# Altium PCB DM1092.PcbDoc (part 3 of 5) (continued)
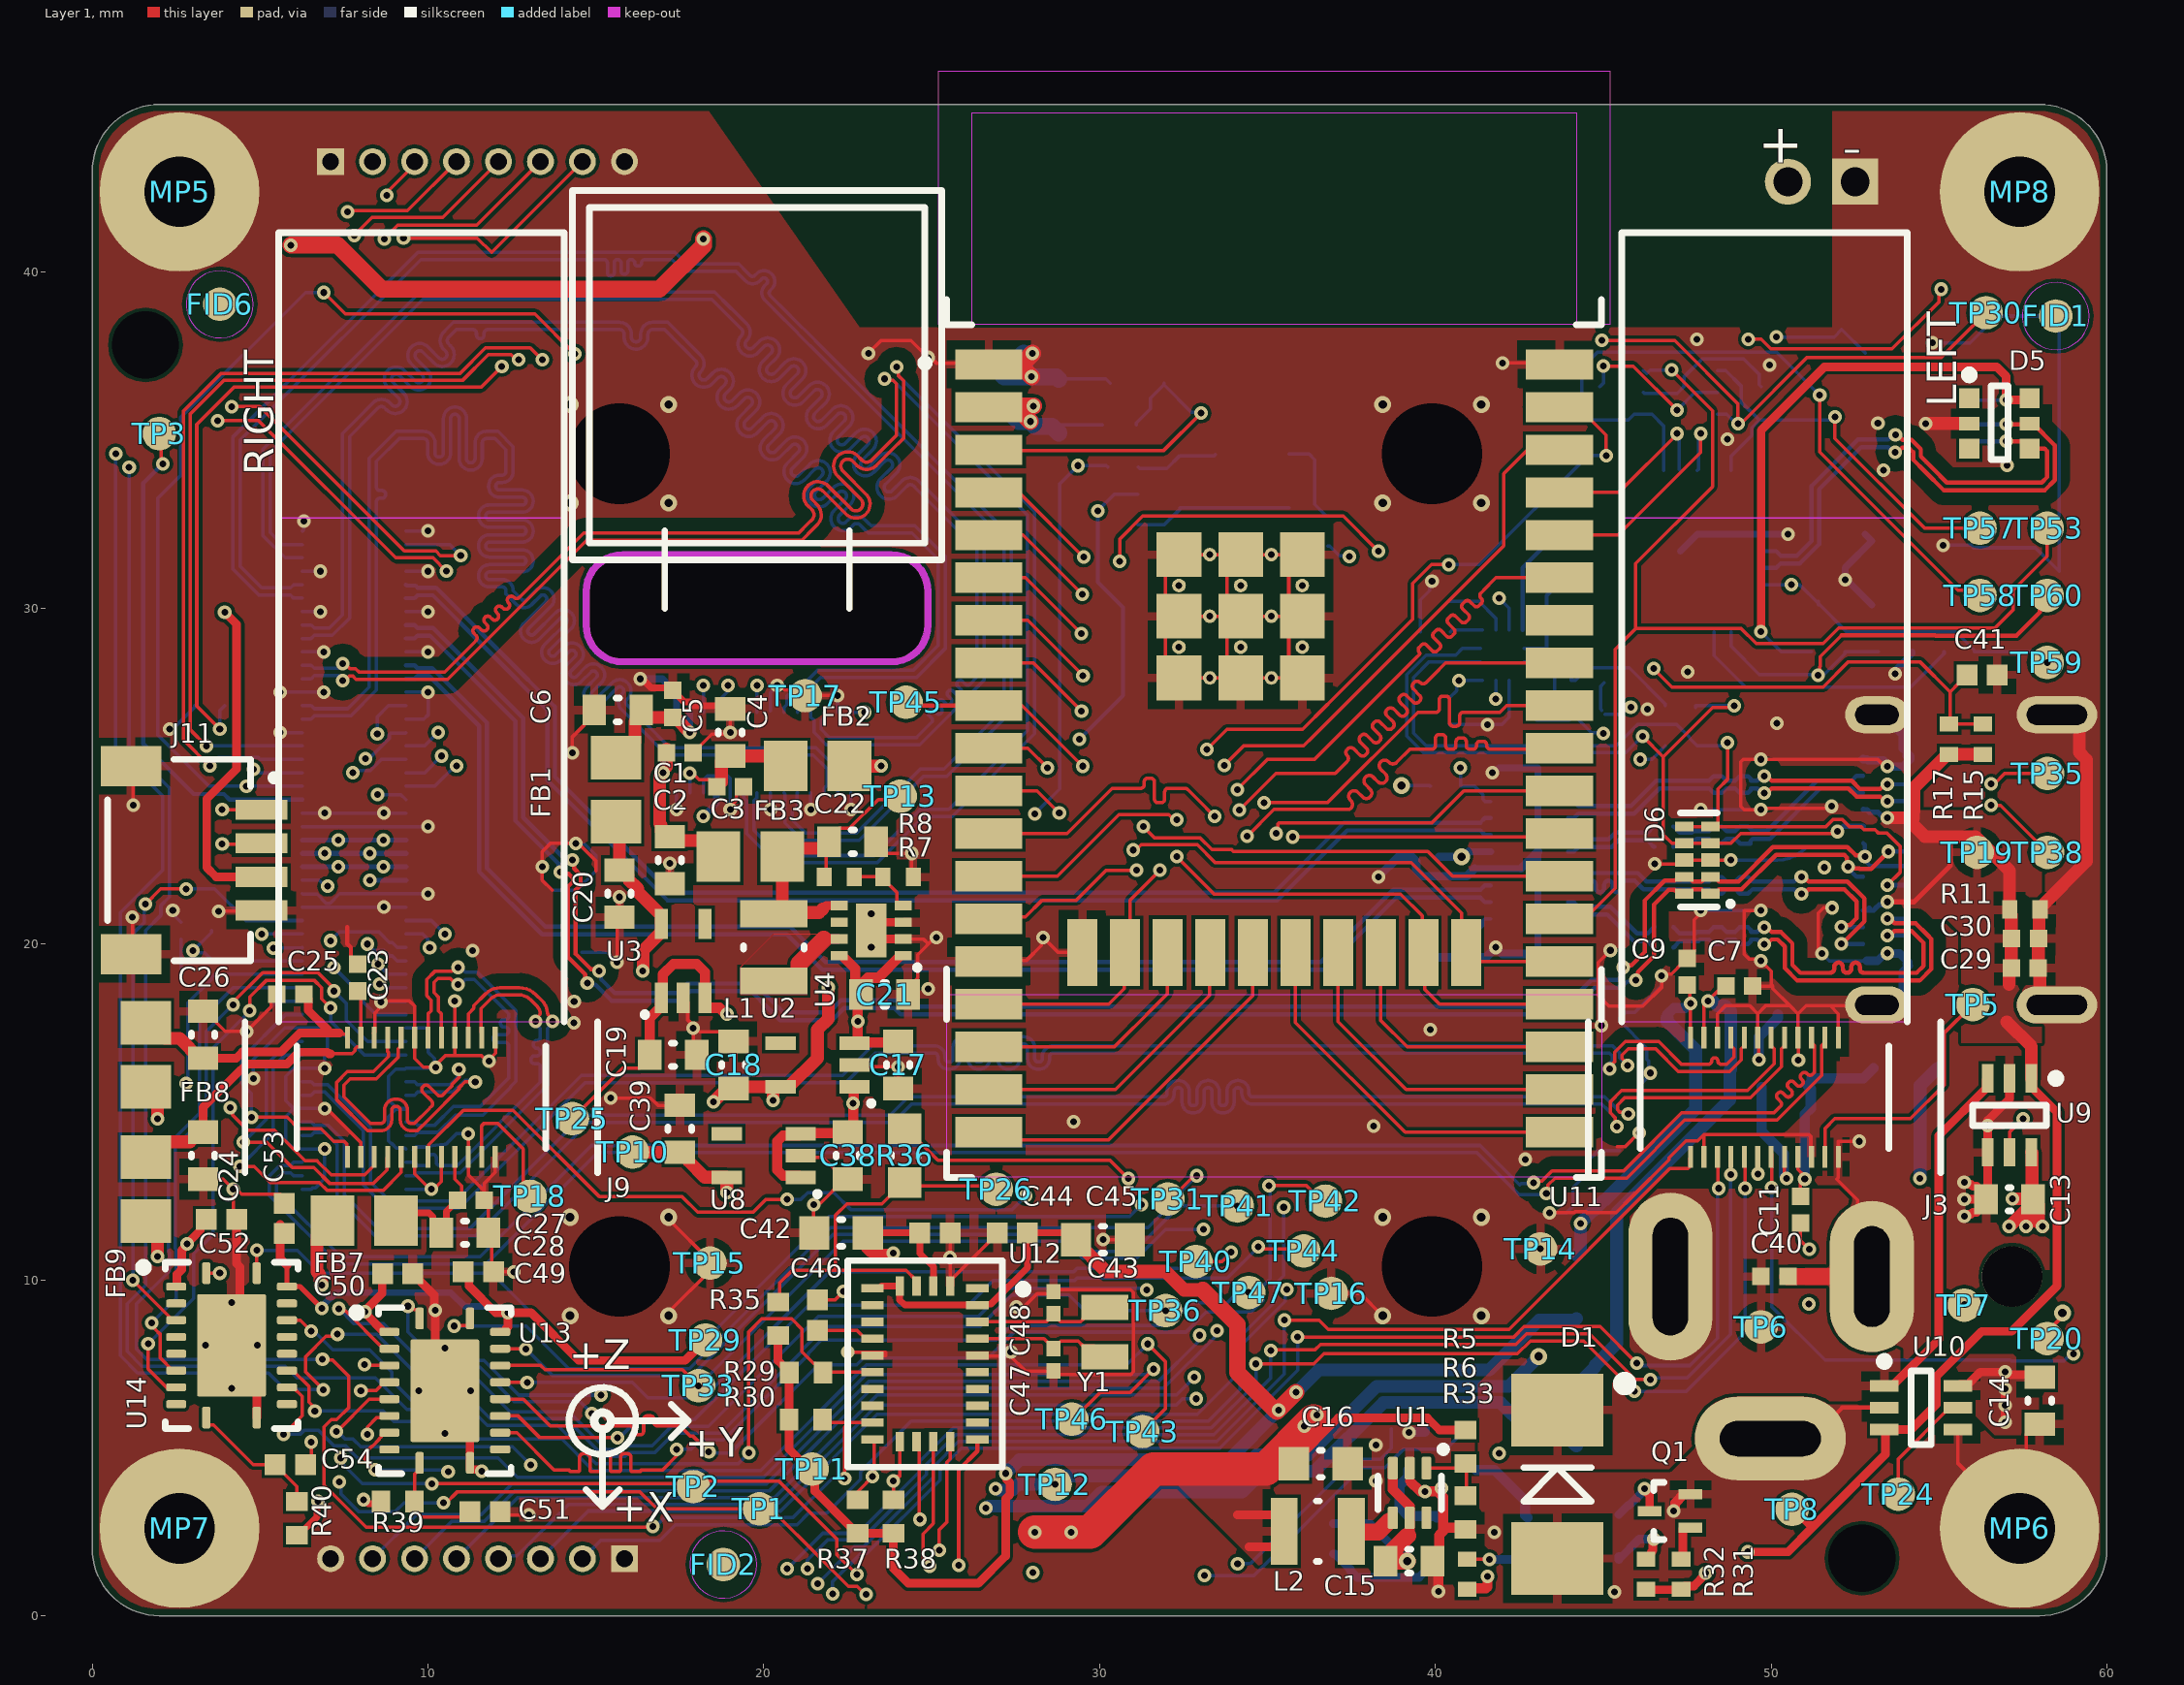
[diagram p0: Layer 1 view]
## Nets (pads, with @x,y where several pads share a name; then routed paths per layer and width w, separated by ;. In a path a pad name is that pad's centre, name@x,y a point inside that pad or via, vN(x,y) a via of type N, cw(c..) or ccw(c..) an arc to the next point about the centre after c; other vN are vias at no path point) (continued)
  Layer 1 w0.102: v1(3.871,22.98) J11.2@5.058,22.98 ; v1(5.7,5.4) 6.251,5.951 6.251,6.529 5.98,6.8 U14.13@5.8,6.8 ; U11.11@26.3,24.56 28.14,24.56 v1(28.8,23.9) ; TP46.1@29.22,5.851 30.022,6.653 30.914,6.653 v1(31.602,7.341)
  Layer 3 w0.102: v1(3.871,22.98) 4.166,22.686 4.166,20.168 5.752,18.582 5.752,6.102 5.7,6.05 v1(5.7,5.4) ; v1(28.8,23.9) 29.042,23.658 29.042,19.351 30.095,18.297 30.095,13.321 30.267,13.149 30.267,11.881 29.737,11.352 29.737,9.206 v1(31.602,7.341)
  Layer 6 w0.102: v1(5.7,5.4) 6.19,5.4 6.319,5.529 6.727,5.529 7.202,5.054 7.547,5.054 7.896,4.704 12.085,4.704 12.662,4.127 19.996,4.127 23.046,7.176 31.39,7.176 31.555,7.341 v1(31.602,7.341)
MIPI_RX2_C_N: J1.95 J3.11 | length 53.5
  Layer 1 w0.102: v1(43.307,12.573) 43.355,12.621 43.355,12.825 43.563,13.033 45.698,13.033 47.423,14.757 50.173,14.757 51.508,16.092 51.508,16.701 51.508,16.978 51.567,17.038 51.576,17.038 51.6,17.062 J3.11@51.6,17.213
  Layer 6 w0.102: J1.95@6.26,13.5 6,13.5 5.908,13.408 5.584,13.408 5.266,13.091 5.266,12.525 7.319,10.472 11.733,10.472 15.047,13.787 41.242,13.787 42.485,12.544 43.278,12.544 v1(43.307,12.573)
MIPI_RX2_C_P: J1.97 J3.10 | length 53.6
  Layer 1 w0.102: v1(42.918,12.898) 42.966,12.945 43.17,12.945 43.473,13.249 45.609,13.249 45.695,13.335 47.334,14.973 50.084,14.973 50.242,15.132 50.278,15.168 ccw(c50.205,15.24) 50.278,15.313 50.19,15.401 cw(c50.263,15.474) 50.19,15.547 50.206,15.563 cw(c50.279,15.49) 50.352,15.563 50.44,15.475 ccw(c50.513,15.547) 50.585,15.475 50.601,15.491 ccw(c50.529,15.564) 50.601,15.636 50.513,15.725 cw(c50.586,15.797) 50.513,15.87 50.529,15.886 cw(c50.602,15.814) 50.675,15.886 50.763,15.798 ccw(c50.836,15.871) 50.909,15.798 50.925,15.814 ccw(c50.852,15.887) 50.925,15.96 50.902,15.982 cw(c50.975,16.055) 50.902,16.128 50.918,16.144 cw(c50.991,16.071) 51.064,16.144 51.086,16.121 ccw(c51.159,16.194) 51.232,16.121 51.292,16.181 51.292,16.556 51.292,16.791 51.292,16.978 51.233,17.038 51.224,17.038 51.2,17.062 J3.10@51.2,17.213 J3.10@51.2,17.312
  Layer 6 w0.102: J1.97@6.26,13.1 6,13.1 5.908,13.192 5.673,13.192 5.482,13.001 5.482,12.615 7.409,10.688 11.552,10.688 14.866,14.002 41.331,14.002 42.512,12.822 42.563,12.872 42.893,12.872 v1(42.918,12.898)
MIPI_RX2_D0_N: J1.89 J3.8 | length 53.2
  Layer 1 w0.102: v1(45.746,14.946) 45.699,14.993 45.494,14.993 45.425,15.062 45.425,15.212 45.637,15.424 49.384,15.424 50.308,16.348 50.308,16.879 50.367,16.939 50.376,16.939 50.4,16.963 J3.8@50.4,17.213
  Layer 6 w0.102: J1.89@6.26,14.7 6.52,14.7 6.612,14.608 7.018,14.608 7.505,14.121 7.505,12.575 7.505,12.538 8.522,11.521 11.241,11.521 14.62,14.9 23.76,14.9 24.314,15.454 31.75,15.454 31.909,15.454 ccw(c31.909,15.557) 32.012,15.557 32.012,15.618 cw(c32.33,15.618) 32.33,15.937 32.353,15.937 cw(c32.353,15.618) 32.672,15.618 32.672,15.29 ccw(c32.775,15.29) 32.775,15.187 32.798,15.187 ccw(c32.798,15.29) 32.901,15.29 32.901,15.618 cw(c33.219,15.618) 33.219,15.937 33.242,15.937 cw(c33.242,15.618) 33.561,15.618 33.561,15.29 ccw(c33.664,15.29) 33.664,15.187 33.687,15.187 ccw(c33.687,15.29) 33.79,15.29 33.79,15.618 cw(c34.108,15.618) 34.108,15.937 34.131,15.937 cw(c34.131,15.618) 34.45,15.618 34.45,15.557 ccw(c34.553,15.557) 34.553,15.454 35.539,15.454 45.042,15.454 45.366,15.129 45.366,15.121 45.494,14.993 45.699,14.993 v1(45.746,14.946)
MIPI_RX2_D0_P: J1.91 J3.7 | length 53.3
  Layer 1 w0.102: v1(45.409,14.567) 45.362,14.615 45.362,14.82 45.209,14.973 45.209,15.302 45.547,15.64 49.295,15.64 50.092,16.437 50.092,16.879 50.033,16.939 50.024,16.939 50,16.963 J3.7@50,17.213
  Layer 6 w0.102: J1.91@6.26,14.3 6.52,14.3 6.612,14.392 6.929,14.392 7.289,14.032 7.289,12.664 7.289,12.448 8.432,11.305 11.406,11.305 14.785,14.684 23.849,14.684 24.404,15.238 31.75,15.238 31.909,15.238 ccw(c31.909,15.557) 32.228,15.557 32.228,15.618 cw(c32.33,15.618) 32.33,15.721 32.353,15.721 cw(c32.353,15.618) 32.456,15.618 32.456,15.29 ccw(c32.775,15.29) 32.775,14.971 32.798,14.971 ccw(c32.798,15.29) 33.117,15.29 33.117,15.618 cw(c33.219,15.618) 33.219,15.721 33.242,15.721 cw(c33.242,15.618) 33.345,15.618 33.345,15.29 ccw(c33.664,15.29) 33.664,14.971 33.687,14.971 ccw(c33.687,15.29) 34.006,15.29 34.006,15.618 cw(c34.108,15.618) 34.108,15.721 34.131,15.721 cw(c34.131,15.618) 34.234,15.618 34.234,15.557 ccw(c34.553,15.557) 34.553,15.238 35.539,15.238 44.952,15.238 45.15,15.04 45.15,15.031 45.362,14.82 45.362,14.615 v1(45.409,14.567)
MIPI_RX2_D1_N: J1.83 J3.5 | length 53.3
  Layer 1 w0.102: v1(45.72,16.383) 45.72,16.438 45.563,16.595 45.563,16.696 45.748,16.881 46.562,16.881 47.238,16.205 48.767,16.205 49.108,16.547 49.108,16.879 49.167,16.939 49.176,16.939 49.2,16.963 J3.5@49.2,17.213
  Layer 6 w0.102: J1.83@6.26,15.9 6.52,15.9 6.612,15.808 7.018,15.808 8.294,14.532 8.294,12.916 8.864,12.346 10.247,12.346 10.822,12.346 14.568,16.092 22.353,16.092 23.231,16.97 24.384,16.97 25.082,16.97 cw(c25.082,16.651) 25.401,16.651 25.401,16.59 ccw(c25.504,16.59) 25.504,16.487 25.527,16.487 ccw(c25.527,16.59) 25.63,16.59 25.63,16.918 cw(c25.948,16.918) 25.948,17.237 25.971,17.237 cw(c25.971,16.918) 26.29,16.918 26.29,16.59 ccw(c26.393,16.59) 26.393,16.487 26.416,16.487 ccw(c26.416,16.59) 26.519,16.59 26.519,16.918 cw(c26.837,16.918) 26.837,17.237 26.86,17.237 cw(c26.86,16.918) 27.179,16.918 27.179,16.59 ccw(c27.282,16.59) 27.282,16.487 27.305,16.487 ccw(c27.305,16.59) 27.408,16.59 27.408,16.918 cw(c27.726,16.918) 27.726,17.237 27.749,17.237 cw(c27.749,16.918) 28.068,16.918 28.068,16.59 ccw(c28.171,16.59) 28.171,16.487 28.194,16.487 ccw(c28.194,16.59) 28.297,16.59 28.297,16.651 cw(c28.615,16.651) 28.615,16.97 28.774,16.97 45.277,16.97 45.492,16.755 45.492,16.611 v1(45.72,16.383)
MIPI_RX2_D1_P: J1.85 J3.4 | length 53.2
  Layer 1 w0.102: v1(45.19,16.286) 45.19,16.341 45.347,16.498 45.347,16.785 45.659,17.097 46.567,17.097 46.651,17.097 47.327,16.421 48.078,16.421 48.129,16.421 ccw(c48.129,16.523) 48.231,16.523 cw(c48.322,16.523) 48.412,16.523 ccw(c48.514,16.523) 48.514,16.421 48.677,16.421 48.768,16.512 48.892,16.636 48.892,16.879 48.833,16.939 48.824,16.939 48.8,16.963 J3.4@48.8,17.213
  Layer 6 w0.102: J1.85@6.26,15.5 6.52,15.5 6.612,15.592 6.929,15.592 8.078,14.443 8.078,12.827 8.774,12.13 10.336,12.13 10.929,12.13 14.675,15.876 22.442,15.876 23.32,16.754 24.384,16.754 25.082,16.754 cw(c25.082,16.651) 25.185,16.651 25.185,16.59 ccw(c25.504,16.59) 25.504,16.271 25.527,16.271 ccw(c25.527,16.59) 25.846,16.59 25.846,16.918 cw(c25.948,16.918) 25.948,17.021 25.971,17.021 cw(c25.971,16.918) 26.074,16.918 26.074,16.59 ccw(c26.393,16.59) 26.393,16.271 26.416,16.271 ccw(c26.416,16.59) 26.735,16.59 26.735,16.918 cw(c26.837,16.918) 26.837,17.021 26.86,17.021 cw(c26.86,16.918) 26.963,16.918 26.963,16.59 ccw(c27.282,16.59) 27.282,16.271 27.305,16.271 ccw(c27.305,16.59) 27.624,16.59 27.624,16.918 cw(c27.726,16.918) 27.726,17.021 27.749,17.021 cw(c27.749,16.918) 27.852,16.918 27.852,16.59 ccw(c28.171,16.59) 28.171,16.271 28.194,16.271 ccw(c28.194,16.59) 28.513,16.59 28.513,16.651 cw(c28.615,16.651) 28.615,16.754 28.774,16.754 44.837,16.754 45.188,16.754 45.276,16.666 45.276,16.529 v1@45.122,16.375
MIPI_RX3_C_N: J1.96 J9.11 | length 11.2
  Layer 1 w0.102: J9.11@11.58,17.367 11.58,18.078 11.872,18.37 cw(c12.148,18.094) 12.148,18.484 12.713,18.484 cw(c12.713,17.995) 13.06,18.34 13.242,18.158 13.245,18.155 cw(c13,17.912) 13.341,17.967 cw(c13.241,17.951) 13.313,17.88 13.2,17.767 v1(13.2,17.7)
  Layer 6 w0.102: J1.96@9.34,13.5 9.6,13.5 9.692,13.408 9.864,13.408 9.915,13.408 ccw(c9.915,13.511) 10.017,13.511 10.017,13.636 cw(c10.12,13.636) 10.12,13.739 10.143,13.739 cw(c10.143,13.636) 10.246,13.636 10.246,13.511 ccw(c10.349,13.511) 10.349,13.408 10.767,13.408 10.868,13.408 13.345,15.885 13.345,16.288 13.345,16.338 ccw(c13.242,16.338) 13.242,16.441 13.167,16.441 cw(c13.167,16.544) 13.064,16.544 13.064,16.567 cw(c13.167,16.567) 13.167,16.67 13.242,16.67 ccw(c13.242,16.773) 13.345,16.773 13.345,16.796 ccw(c13.242,16.796) 13.242,16.898 cw(c13.242,17.001) 13.139,17.001 13.139,17.024 cw(c13.242,17.024) 13.242,17.127 ccw(c13.242,17.23) 13.345,17.23 13.345,17.488 13.2,17.633 v1(13.2,17.7)
MIPI_RX3_C_P: J1.98 J9.10 | length 11.4
  Layer 1 w0.102: J9.10@11.2,17.37 11.2,17.675 ; 11.2,17.8 11.2,17.675 ; v1(13.706,17.7) 13.706,17.767 13.589,17.884 cw(c13.661,17.955) 13.56,17.949 ccw(c13,17.912) 13.397,18.308 13.396,18.309 13.213,18.493 13.212,18.494 ccw(c12.713,17.995) 12.713,18.7 12.148,18.7 ccw(c12.148,18.094) 11.719,18.522 11.364,18.167 11.364,18.089 11.2,17.925 11.2,17.675
  Layer 6 w0.102: J1.98@9.34,13.1 9.6,13.1 9.692,13.192 10.957,13.192 13.561,15.796 13.561,16.779 13.561,17.488 13.706,17.633 v1(13.706,17.7)
MIPI_RX3_D0_N: J1.90 J9.8 | length 11.1
  Layer 1 w0.102: J9.8@10.4,17.347 10.4,17.925 10.376,17.949 10.367,17.949 10.308,18.009 10.308,18.42 10.175,18.553 10.175,18.855 10.29,18.97 10.663,18.97 10.833,18.8 v1(10.9,18.8)
  Layer 6 w0.102: J1.90@9.34,14.7 9.6,14.7 9.692,14.608 10.203,14.608 10.758,15.164 11.557,15.164 12.402,16.008 12.402,16.915 12.402,16.966 ccw(c12.299,16.966) 12.299,17.069 12.044,17.069 cw(c12.044,17.172) 11.941,17.172 11.941,17.195 cw(c12.044,17.195) 12.044,17.298 12.299,17.298 ccw(c12.299,17.4) 12.402,17.4 12.402,17.423 ccw(c12.299,17.423) 12.299,17.526 12.263,17.526 cw(c12.263,17.629) 12.161,17.629 12.161,17.652 cw(c12.263,17.652) 12.263,17.755 12.299,17.755 ccw(c12.299,17.858) 12.402,17.858 12.402,17.925 12.284,18.043 11.381,18.945 11.112,18.945 10.967,18.8 v1(10.9,18.8)
MIPI_RX3_D0_P: J1.92 J9.7 | length 11.1
  Layer 1 w0.102: J9.7@10,17.312 10,17.925 10.024,17.949 10.033,17.949 10.092,18.009 10.092,18.331 9.959,18.464 9.959,18.944 10.201,19.186 10.697,19.186 10.818,19.306 v1(10.9,19.306)
  Layer 6 w0.102: J1.92@9.34,14.3 9.6,14.3 9.692,14.392 10.292,14.392 10.81,14.91 11.633,14.91 12.459,15.735 12.459,15.76 12.617,15.919 12.617,18.014 11.471,19.161 11.112,19.161 10.967,19.306 v1(10.9,19.306)
MIPI_RX3_D1_N: J1.84 J9.5 | length 11.4
  Layer 1 w0.102: J9.5@9.2,17.213 9.2,16.963 9.176,16.939 9.167,16.939 9.108,16.879 9.108,16.628 8.464,15.984 7.684,15.984 7.5,15.8 7.5,15.45 8.294,14.656 8.431,14.656 8.589,14.656 ccw(c8.589,14.77) 8.704,14.77 8.704,15.053 cw(c9.034,15.053) 9.034,15.383 9.059,15.383 cw(c9.059,15.053) 9.389,15.053 9.389,14.77 ccw(c9.504,14.77) 9.504,14.656 9.594,14.656 10.033,15.096 10.069,15.131 10.105,15.167 ccw(c10.024,15.248) 10.105,15.329 9.846,15.588 cw(c9.927,15.669) 9.846,15.75 9.864,15.767 cw(c9.945,15.687) 10.026,15.767 10.284,15.509 ccw(c10.365,15.589) 10.446,15.509 10.574,15.637 10.707,15.77 10.707,15.811 10.932,16.036 v1@10.932,16.078 ; v1@10.869,16.218 v1(10.917,16.266)
  Layer 6 w0.102: J1.84@9.34,15.9 9.6,15.9 9.692,15.808 10.659,15.808 10.867,16.016 10.867,16.217 v1(10.917,16.266)
MIPI_RX3_D1_P: J1.86 J9.4 | length 11.3
  Layer 1 w0.102: J9.4@8.8,16.963 8.8,16.8 8.823,16.778 8.823,16.648 8.375,16.2 7.595,16.2 7.284,15.889 7.284,15.361 8.204,14.44 8.431,14.44 8.589,14.44 ccw(c8.589,14.77) 8.92,14.77 8.92,15.053 cw(c9.034,15.053) 9.034,15.167 9.059,15.167 cw(c9.059,15.053) 9.174,15.053 9.174,14.77 ccw(c9.504,14.77) 9.504,14.44 9.683,14.44 10.033,14.79 10.923,15.681 10.923,15.722 11.106,15.904 11.377,15.904 v1@11.395,15.886 ; J9.4@8.8,16.963 J9.4@8.8,17.213
  Layer 6 w0.102: J1.86@9.34,15.5 9.6,15.5 9.692,15.592 10.325,15.592 10.749,15.592 11.1,15.944 v1@11.276,15.944
  other v1: 11.407,15.897
MIPI_RX4_C_N: J1.3 J2.28 | length 50.6
  Layer 6 w0.102: J1.3@6.26,31.9 5.65,31.9 5.3,32.25 5.3,34.65 9.85,39.2 18.45,39.2 18.841,38.809 18.954,38.696 ; 18.954,38.696 19.334,38.316 cw(c19.236,38.217) 19.335,38.118 ccw(c19.586,37.866) 19.335,37.615 ccw(c19.586,37.866) 19.838,37.616 20.017,37.794 ; 20.017,37.795 cw(c20.116,37.696) 20.215,37.795 ; 20.215,37.795 cw(c20.116,37.696) 20.215,37.597 19.973,37.355 ccw(c20.224,37.103) 19.972,36.852 ccw(c20.224,37.103) 20.476,36.852 20.798,37.174 ; 20.798,37.175 cw(c20.897,37.076) 20.995,37.175 ; 20.996,37.175 cw(c20.897,37.076) 20.996,36.977 20.673,36.655 ccw(c20.924,36.403) 20.673,36.151 ccw(c20.924,36.403) 21.176,36.152 21.498,36.474 cw(c21.598,36.376) 21.696,36.475 ; 21.696,36.276 21.374,35.954 ccw(c21.624,35.702) 21.373,35.451 ccw(c21.624,35.702) 21.876,35.451 22.199,35.774 ; 21.696,36.277 ccw(c21.598,36.376) 21.697,36.474 ; J2.28@21.8,26.9 21.8,26.76 21.708,26.668 21.708,26.392 21.95,26.15 24.142,26.15 24.55,26.15 24.602,26.202 24.992,26.592 ccw(c24.92,26.663) 24.992,26.735 24.912,26.815 cw(c24.977,26.879) 24.912,26.944 24.927,26.958 cw(c24.991,26.894) 25.056,26.958 25.142,26.872 ccw(c25.207,26.936) 25.272,26.872 25.286,26.886 ccw(c25.221,26.951) 25.286,27.015 25.2,27.102 cw(c25.264,27.167) 25.2,27.231 25.214,27.246 cw(c25.279,27.181) 25.343,27.246 25.43,27.159 ccw(c25.494,27.224) 25.559,27.159 25.573,27.173 ccw(c25.509,27.238) 25.573,27.303 25.487,27.389 cw(c25.552,27.454) 25.487,27.519 25.501,27.533 cw(c25.566,27.468) 25.631,27.533 25.717,27.446 ccw(c25.782,27.511) 25.846,27.446 25.861,27.461 ccw(c25.796,27.526) 25.861,27.59 25.774,27.677 cw(c25.839,27.741) 25.774,27.806 25.789,27.82 cw(c25.853,27.756) 25.918,27.82 25.997,27.741 ccw(c26.069,27.813) 26.141,27.741 26.35,27.95 26.35,28.387 26.35,31.749 24.574,33.524 24.463,33.636 ; 22.199,35.774 cw(c22.298,35.675) 22.396,35.775 ; 22.397,35.774 cw(c22.298,35.675) 22.397,35.576 22.074,35.254 ccw(c22.325,35.002) 22.074,34.75 ccw(c22.325,35.002) 22.577,34.751 22.899,35.073 cw(c22.998,34.975) 23.097,35.074 ; 23.097,34.876 22.774,34.553 ccw(c23.025,34.301) 22.774,34.05 ccw(c23.025,34.301) 23.277,34.05 23.6,34.373 ; 23.097,34.876 ccw(c22.998,34.975) 23.098,35.073 ; 23.6,34.373 cw(c23.699,34.274) 23.797,34.374 ; 23.797,34.175 23.475,33.853 ccw(c23.726,33.601) 23.474,33.349 ccw(c23.726,33.601) 23.978,33.35 24.264,33.636 ; 23.798,34.176 ccw(c23.699,34.274) 23.798,34.373 ; 24.265,33.637 cw(c24.363,33.538) 24.462,33.637
MIPI_RX4_C_P: J1.5 J2.27 | length 50.6
  Layer 6 w0.102: J1.5@6.26,31.5 5.745,31.5 5.084,32.161 5.084,34.739 9.761,39.416 18.539,39.416 18.994,38.961 19.106,38.849 19.487,38.469 cw(c19.236,38.217) 19.488,37.966 ; 19.487,37.768 cw(c19.586,37.866) 19.487,37.965 ; 19.488,37.767 ccw(c19.586,37.866) 19.685,37.768 ; 19.685,37.768 19.864,37.947 cw(c20.116,37.696) 20.368,37.948 cw(c20.116,37.696) 20.367,37.444 20.125,37.202 ; 20.124,37.005 cw(c20.224,37.103) 20.125,37.202 ; 20.125,37.004 ccw(c20.224,37.103) 20.322,37.004 ; 20.323,37.005 20.645,37.327 cw(c20.897,37.076) 21.149,37.328 cw(c20.897,37.076) 21.148,36.824 20.826,36.502 ; 20.826,36.304 ccw(c20.924,36.403) 21.023,36.304 ; 20.825,36.304 cw(c20.924,36.403) 20.825,36.501 ; 21.023,36.304 21.346,36.627 cw(c21.598,36.376) 21.849,36.627 cw(c21.598,36.376) 21.848,36.124 21.526,35.802 ; J2.27@21.4,26.9 21.4,26.76 21.492,26.668 21.492,26.303 21.861,25.934 24.639,25.934 26.566,27.861 26.566,31.838 24.727,33.677 24.615,33.789 ccw(c24.363,33.538) 24.111,33.789 23.825,33.503 cw(c23.726,33.601) 23.627,33.502 ; 21.525,35.604 cw(c21.624,35.702) 21.526,35.801 ; 21.526,35.603 ccw(c21.624,35.702) 21.723,35.603 ; 21.724,35.604 22.046,35.926 cw(c22.298,35.675) 22.549,35.927 cw(c22.298,35.675) 22.549,35.423 22.227,35.101 ; 22.227,34.903 ccw(c22.325,35.002) 22.424,34.903 ; 22.226,34.903 cw(c22.325,35.002) 22.226,35.101 ; 22.424,34.904 22.746,35.226 cw(c22.998,34.975) 23.25,35.226 cw(c22.998,34.975) 23.249,34.723 22.927,34.401 ; 22.926,34.203 cw(c23.025,34.301) 22.927,34.4 ; 22.927,34.202 ccw(c23.025,34.301) 23.124,34.203 ; 23.125,34.203 23.447,34.525 cw(c23.699,34.274) 23.95,34.526 cw(c23.699,34.274) 23.95,34.022 23.628,33.7 ; 23.627,33.502 cw(c23.726,33.601) 23.627,33.7
MIPI_RX4_D0_N: J1.9 J2.5 | length 50.6
  Layer 6 w0.102: J1.9@6.26,30.7 6,30.7 5.908,30.608 5.05,30.608 4.4,31.258 4.4,35 7.46,38.06 7.466,38.06 9.786,40.381 14.986,40.381 15.24,40.381 cw(c15.24,40.279) 15.342,40.279 15.342,39.989 ccw(c15.433,39.989) 15.433,39.898 15.453,39.898 ccw(c15.453,39.989) 15.545,39.989 15.545,40.289 cw(c15.636,40.289) 15.636,40.381 15.657,40.381 cw(c15.657,40.289) 15.748,40.289 15.748,40.043 ccw(c15.839,40.043) 15.839,39.952 15.86,39.952 ccw(c15.86,40.043) 15.951,40.043 15.951,40.289 cw(c16.043,40.289) 16.043,40.381 16.063,40.381 cw(c16.063,40.289) 16.154,40.289 16.154,40.279 ccw(c16.246,40.279) 16.246,40.187 16.266,40.187 ccw(c16.266,40.279) 16.358,40.279 cw(c16.459,40.279) 16.459,40.381 16.891,40.381 17.269,40.381 17.616,40.034 19.166,40.034 19.33,39.87 19.441,39.759 ; 19.442,39.758 ccw(c19.667,39.982) 19.891,39.758 19.943,39.81 ; 19.944,39.81 cw(c20.008,39.746) 20.073,39.81 ; 20.073,39.81 20.087,39.796 ; 20.087,39.666 20.035,39.614 ccw(c20.259,39.39) 20.035,39.165 20.586,38.614 ; 20.087,39.667 ccw(c20.023,39.731) 20.087,39.796 ; 20.586,38.614 20.699,38.501 21.342,37.858 21.395,37.805 22.363,36.837 ; J2.5@21,24.5 20.998,24.498 20.998,24.098 20.85,23.95 20.85,23.7 21.25,23.3 22.75,23.3 24.663,25.213 25.363,25.213 27.15,27 27.15,32.05 22.475,36.725 22.363,36.837
MIPI_RX4_D0_P: J1.11 J2.6 | length 50.6
  Layer 6 w0.102: J1.11@6.26,30.3 6,30.3 5.908,30.392 4.961,30.392 4.184,31.169 4.184,35.089 7.37,38.276 7.376,38.276 9.697,40.596 17.359,40.596 17.705,40.25 19.255,40.25 19.483,40.023 19.594,39.911 ccw(c19.667,39.982) 19.739,39.911 ; 19.739,39.911 19.79,39.962 cw(c20.008,39.746) 20.226,39.962 20.239,39.949 cw(c20.023,39.731) 20.239,39.513 20.188,39.462 ccw(c20.259,39.39) 20.188,39.318 20.739,38.766 20.851,38.654 21.495,38.011 21.549,37.957 22.515,36.99 22.628,36.878 27.366,32.139 27.366,26.911 25.453,24.997 24.753,24.997 22.839,23.084 21.161,23.084 20.634,23.611 20.634,24.466 J2.6@20.6,24.5
MIPI_RX4_D1_N: J1.15 J2.26 | length 50.7
  Layer 6 w0.102: J1.15@6.26,29.5 6.52,29.5 6.612,29.408 7.058,29.408 7.447,29.797 7.447,35.203 8.056,35.811 8.168,35.923 8.36,36.116 cw(c8.612,35.865) 8.864,36.116 8.926,36.054 ; 8.927,36.053 ccw(c9.026,36.152) 9.124,36.053 ; 9.124,36.251 cw(c9.026,36.152) 9.125,36.054 ; 9.124,36.252 8.802,36.574 cw(c9.052,36.826) 8.801,37.077 cw(c9.052,36.826) 9.304,37.077 9.627,36.754 ; 9.627,36.754 ccw(c9.726,36.853) 9.824,36.753 ccw(c9.726,36.853) 9.825,36.951 9.502,37.274 cw(c9.753,37.526) 9.501,37.778 cw(c9.753,37.526) 10.005,37.777 10.327,37.455 ; 10.328,37.454 ccw(c10.426,37.553) 10.525,37.454 ; 10.525,37.652 10.463,37.714 cw(c10.714,37.966) 10.463,38.218 10.575,38.33 10.761,38.516 14.872,38.516 15.701,38.516 cw(c15.701,38.16) 16.056,38.16 16.056,38.071 ccw(c16.196,38.071) 16.336,38.071 16.336,38.16 cw(c16.691,38.16) 16.691,38.516 16.85,38.516 17.134,38.516 17.652,37.998 17.764,37.886 ; 10.526,37.455 ccw(c10.426,37.553) 10.525,37.652 ; 17.764,37.886 18.113,37.537 cw(c17.862,37.285) 18.114,37.034 ccw(c18.213,36.934) 18.113,36.836 ; 18.114,36.835 ccw(c18.213,36.934) 18.311,36.836 ; 18.312,36.836 18.486,37.01 cw(c18.738,36.759) 18.989,37.011 cw(c18.738,36.759) 18.989,36.507 18.862,36.38 ; 18.861,36.183 cw(c18.96,36.281) 18.861,36.38 ; 18.862,36.182 ccw(c18.96,36.281) 19.059,36.182 19.272,36.395 cw(c19.524,36.144) 19.775,36.396 cw(c19.524,36.144) 19.775,35.892 19.452,35.57 ; 19.452,35.372 cw(c19.551,35.471) 19.452,35.57 ; 19.452,35.372 ccw(c19.551,35.471) 19.649,35.372 19.972,35.695 cw(c20.224,35.444) 20.476,35.695 cw(c20.224,35.444) 20.475,35.192 20.153,34.87 ccw(c20.251,34.77) 20.152,34.672 ; 20.153,34.671 ccw(c20.251,34.77) 20.35,34.671 ; 20.35,34.672 20.673,34.994 cw(c20.925,34.743) 21.176,34.995 cw(c20.925,34.743) 21.176,34.491 20.853,34.169 ; 20.852,33.971 cw(c20.952,34.07) 20.853,34.169 ; 20.853,33.971 ccw(c20.952,34.07) 21.05,33.971 ; J2.26@21,26.9 21,27.04 20.908,27.132 20.908,27.302 20.967,27.362 21.112,27.362 21.683,27.933 24.539,27.933 25.403,28.797 25.403,31.553 24.503,32.453 23.197,32.453 23.129,32.521 23.018,32.632 ccw(c22.766,32.382) 22.514,32.632 22.452,32.571 ; 21.051,33.972 21.373,34.294 cw(c21.625,34.043) 21.877,34.294 cw(c21.625,34.043) 21.876,33.791 21.554,33.469 ccw(c21.652,33.369) 21.553,33.271 ; 21.554,33.27 ccw(c21.652,33.369) 21.751,33.271 ; 21.751,33.271 22.074,33.593 cw(c22.326,33.342) 22.577,33.594 cw(c22.326,33.342) 22.576,33.09 22.254,32.768 ; 22.253,32.57 cw(c22.352,32.669) 22.254,32.768 ; 22.254,32.57 ccw(c22.352,32.669) 22.451,32.57
MIPI_RX4_D1_P: J1.17 J2.25 | length 50.7
  Layer 6 w0.102: J1.17@6.26,29.1 6.52,29.1 6.612,29.192 7.147,29.192 7.663,29.708 7.663,35.113 8.32,35.77 ; 8.321,35.771 8.513,35.963 ; 8.514,35.964 cw(c8.612,35.865) 8.711,35.964 ; 8.712,35.963 8.774,35.901 ccw(c9.026,36.152) 9.277,35.901 ccw(c9.026,36.152) 9.276,36.404 8.954,36.727 cw(c9.052,36.826) 8.953,36.924 ; 8.954,36.925 cw(c9.052,36.826) 9.151,36.925 9.474,36.602 ccw(c9.726,36.853) 9.977,36.601 ccw(c9.726,36.853) 9.977,37.105 9.655,37.427 ; 9.654,37.428 cw(c9.753,37.526) 9.654,37.625 ; 9.655,37.625 cw(c9.753,37.526) 9.852,37.625 ; 9.852,37.624 10.174,37.302 ccw(c10.426,37.553) 10.678,37.302 ccw(c10.426,37.553) 10.677,37.805 10.615,37.867 ; 10.615,37.868 cw(c10.714,37.966) 10.615,38.065 ; 10.616,38.066 10.85,38.3 11.049,38.3 11.328,38.3 cw(c11.328,38.186) 11.443,38.186 11.443,38.137 ccw(c11.557,38.137) 11.671,38.137 11.671,38.186 cw(c11.786,38.186) 11.786,38.3 13.903,38.3 15.701,38.3 cw(c15.701,38.16) 15.84,38.16 15.84,38.071 ccw(c16.196,38.071) 16.552,38.071 16.552,38.16 cw(c16.691,38.16) 16.691,38.3 17.045,38.3 17.499,37.846 17.611,37.734 17.961,37.384 ; 17.961,37.185 ccw(c18.213,36.934) 17.961,36.683 ccw(c18.213,36.934) 18.465,36.684 18.639,36.858 ; 17.962,37.186 ccw(c17.862,37.285) 17.961,37.384 ; 18.639,36.858 cw(c18.738,36.759) 18.836,36.859 ; 18.836,36.66 18.709,36.533 ccw(c18.96,36.281) 18.709,36.029 ccw(c18.96,36.281) 19.212,36.03 19.424,36.242 ; 18.837,36.661 ccw(c18.738,36.759) 18.837,36.858 ; 19.425,36.243 cw(c19.524,36.144) 19.622,36.243 ; 19.622,36.045 19.3,35.723 ccw(c19.551,35.471) 19.299,35.219 ccw(c19.551,35.471) 19.803,35.22 20.125,35.542 ; 19.623,36.045 ccw(c19.524,36.144) 19.623,36.243 ; 20.125,35.543 cw(c20.224,35.444) 20.323,35.543 ; 20.322,35.344 20,35.022 ccw(c20.251,34.77) 20,34.519 ccw(c20.251,34.77) 20.503,34.519 20.825,34.842 ; 20.323,35.345 ccw(c20.224,35.444) 20.323,35.542 ; J2.25@20.6,26.9 20.6,27.04 20.692,27.132 20.692,27.392 20.878,27.578 21.022,27.578 21.594,28.149 24.449,28.149 25.187,28.887 25.187,31.463 24.413,32.237 23.108,32.237 22.977,32.368 22.865,32.48 ; 20.826,34.842 cw(c20.925,34.743) 21.023,34.843 ; 21.023,34.644 20.701,34.322 ccw(c20.952,34.07) 20.7,33.818 ccw(c20.952,34.07) 21.204,33.819 21.526,34.141 ; 21.023,34.645 ccw(c20.925,34.743) 21.024,34.842 ; 21.526,34.142 cw(c21.625,34.043) 21.723,34.142 ; 21.723,33.944 21.401,33.621 ccw(c21.652,33.369) 21.401,33.118 ccw(c21.652,33.369) 21.904,33.118 22.226,33.441 ; 21.724,33.944 ccw(c21.625,34.043) 21.724,34.141 ; 22.227,33.441 cw(c22.326,33.342) 22.424,33.442 ; 22.425,33.441 cw(c22.326,33.342) 22.424,33.244 22.102,32.921 ccw(c22.352,32.669) 22.101,32.417 ccw(c22.352,32.669) 22.604,32.418 22.666,32.48 ; 22.667,32.48 cw(c22.766,32.382) 22.864,32.481
MIPI_RX5_D0_N: J1.21 J2.8 | length 51.5
  Layer 1 w0.102: v1(7.461,28.353) 7.528,28.353 7.677,28.203 7.847,28.203 7.95,28.1 10.495,28.1 11.39,28.996 11.426,29.032 ccw(c11.345,29.112) 11.426,29.193 11.372,29.247 cw(c11.453,29.328) 11.534,29.409 11.588,29.355 ccw(c11.669,29.436) 11.75,29.517 11.695,29.571 cw(c11.776,29.652) 11.695,29.732 cw(c11.776,29.652) 11.857,29.732 11.911,29.678 ccw(c11.992,29.759) 12.073,29.84 12.046,29.867 cw(c12.126,29.948) 12.046,30.029 cw(c12.126,29.948) 12.207,30.029 12.234,30.001 ccw(c12.315,30.082) 12.396,30.163 cw(c12.477,30.244) 12.558,30.325 ccw(c12.639,30.406) 12.719,30.325 13.613,31.218 14.638,32.244 21.044,32.244 21.324,32.524 21.436,32.636 ; 21.315,33.049 cw(c21.612,33.347) 21.314,33.646 cw(c21.612,33.347) 21.875,33.677 21.879,33.677 22.599,32.957 ccw(c22.744,33.104) 22.889,32.958 ccw(c22.744,33.104) 22.889,33.25 ; 21.315,33.048 21.435,32.928 cw(c21.291,32.782) 21.436,32.636 ; 22.888,33.25 22.203,33.936 cw(c22.5,34.235) 22.202,34.533 cw(c22.5,34.235) 22.763,34.565 22.766,34.565 22.92,34.412 ccw(c23.066,34.557) 23.211,34.411 23.832,35.032 23.944,35.144 23.951,35.151 23.951,36.681 23.85,36.783 23.644,36.783 v1(23.597,36.83)
  Layer 6 w0.102: J1.21@6.26,28.3 6.52,28.3 6.612,28.208 7.401,28.208 7.403,28.209 7.403,28.295 v1(7.461,28.353) ; J2.8@19.8,24.5 19.8,24.36 19.708,24.268 19.708,23.386 20.459,22.634 23.284,22.634 24.666,24.016 25.516,24.016 27.85,26.35 27.85,32.783 23.85,36.783 23.644,36.783 v1(23.597,36.83) v1@23.651,36.884
MIPI_RX5_D0_P: J1.23 J2.9 | length 51.4
  Layer 1 w0.102: v1(7.461,27.847) 7.532,27.847 7.673,27.988 7.757,27.988 7.861,27.884 10.584,27.884 14.728,32.028 21.133,32.028 21.477,32.371 21.589,32.483 ccw(c21.291,32.782) 21.621,33.045 21.621,33.048 21.466,33.203 cw(c21.612,33.347) 21.467,33.493 ; 21.467,33.493 cw(c21.612,33.347) 21.759,33.492 22.445,32.806 ; 22.354,34.38 ccw(c22.5,34.235) 22.354,34.09 23.074,33.37 23.074,33.366 cw(c22.744,33.104) 23.042,32.805 cw(c22.744,33.104) 22.445,32.806 ; 22.355,34.381 cw(c22.5,34.235) 22.646,34.38 ; 22.646,34.379 22.767,34.258 ccw(c23.066,34.557) 23.364,34.258 23.984,34.879 24.097,34.991 24.167,35.062 24.167,36.771 24.003,36.936 24.003,37.141 v1(23.955,37.188)
  Layer 6 w0.102: J1.23@6.26,27.9 6.52,27.9 6.612,27.992 v1@7.401,27.992 ; J2.9@19.4,24.5 19.4,24.36 19.492,24.268 19.492,23.296 20.37,22.418 23.374,22.418 24.755,23.8 25.605,23.8 28.066,26.261 28.066,32.872 24.003,36.936 24.003,37.141 v1(23.955,37.188) v1@23.916,37.149
MIPI_RX5_D1_N: J1.27 J2.2 | length 50.7
  Layer 6 w0.102: J1.27@6.26,27.1 6.52,27.1 6.612,27.008 7.608,27.008 8.25,27.65 8.25,34.463 9.055,35.268 9.134,35.268 9.398,35.268 9.863,35.268 cw(c9.863,34.925) 10.206,34.925 10.206,34.626 ccw(c10.333,34.626) 10.46,34.626 10.46,35.649 cw(c10.803,35.649) 11.146,35.649 11.146,34.455 ccw(c11.273,34.455) 11.4,34.455 11.4,34.925 cw(c11.743,34.925) 11.743,35.268 11.902,35.268 12.081,35.268 12.535,34.814 12.535,34.589 12.535,34.066 cw(c12.216,34.066) 12.216,33.747 12.123,33.747 ccw(c12.123,33.644) 12.02,33.644 12.02,33.621 ccw(c12.123,33.621) 12.123,33.519 12.813,33.519 cw(c12.813,33.2) 13.132,33.2 13.132,33.177 cw(c12.813,33.177) 12.813,32.858 11.825,32.858 ccw(c11.825,32.755) 11.722,32.755 11.722,32.732 ccw(c11.825,32.732) 11.825,32.63 12.813,32.63 cw(c12.813,32.311) 13.132,32.311 13.132,32.288 cw(c12.813,32.288) 12.813,31.969 11.825,31.969 ccw(c11.825,31.866) 11.722,31.866 11.722,31.843 ccw(c11.825,31.843) 11.825,31.741 12.813,31.741 cw(c12.813,31.422) 13.132,31.422 13.132,31.399 cw(c12.813,31.399) 12.813,31.08 11.825,31.08 ccw(c11.825,30.977) 11.722,30.977 11.722,30.954 ccw(c11.825,30.954) 11.825,30.852 12.216,30.852 cw(c12.216,30.533) 12.535,30.533 12.535,30.518 12.679,30.374 12.791,30.262 ccw(c12.864,30.334) 12.937,30.262 ; 12.937,30.262 13.195,30.52 cw(c13.421,30.295) 13.647,30.52 13.662,30.505 cw(c13.437,30.279) 13.662,30.053 13,29.391 ccw(c13.072,29.318) 12.999,29.245 ; 13,29.244 13.015,29.229 ; 13.016,29.229 ccw(c13.088,29.301) 13.161,29.229 13.801,29.869 cw(c14.027,29.644) 14.253,29.869 14.268,29.854 cw(c14.043,29.628) 14.268,29.402 13.628,28.762 ccw(c13.701,28.689) 13.628,28.616 ; 13.628,28.616 13.644,28.601 ; 13.644,28.6 ccw(c13.717,28.673) 13.79,28.6 14.064,28.874 cw(c14.29,28.649) 14.478,28.906 14.483,28.906 14.563,28.827 14.563,28.822 cw(c14.306,28.633) 14.531,28.407 14.257,28.134 ; 14.256,27.988 cw(c14.329,28.06) 14.257,28.133 ; 14.257,27.987 14.272,27.972 ; 14.273,27.971 ccw(c14.345,28.044) 14.418,27.972 14.7,28.253 cw(c14.926,28.028) 15.152,28.253 15.167,28.238 cw(c14.942,28.012) 15.167,27.786 14.886,27.505 ; 14.885,27.359 cw(c14.958,27.432) 14.885,27.505 ; 14.886,27.359 14.901,27.343 ccw(c14.974,27.416) 15.047,27.343 15.485,27.781 cw(c15.711,27.556) 15.937,27.781 15.952,27.766 cw(c15.727,27.54) 15.952,27.314 15.919,27.281 ccw(c15.991,27.208) 15.918,27.135 16.447,26.607 17.203,25.85 21.555,25.85 22.108,25.297 22.108,24.732 22.2,24.64 J2.2@22.2,24.5